# Altium PCB Prom21_Oculink_GPU_Ver0.1.PcbDoc (part 1 of 2)
Units mm, origin at the board's own origin, x right, y up, seen from the top; angles counter-clockwise.
Board outline 61.67 x 99.98 mm, 6 copper layers (Top Layer 1, Layer 1, Top Layer, Bottom Layer, Layer 2, Bottom Layer 1), stack 1.591 mm thick; 308 components, 320 nets, 1711 pads, 0 vias.
Unrouted connection lines stored in the file: 1033.
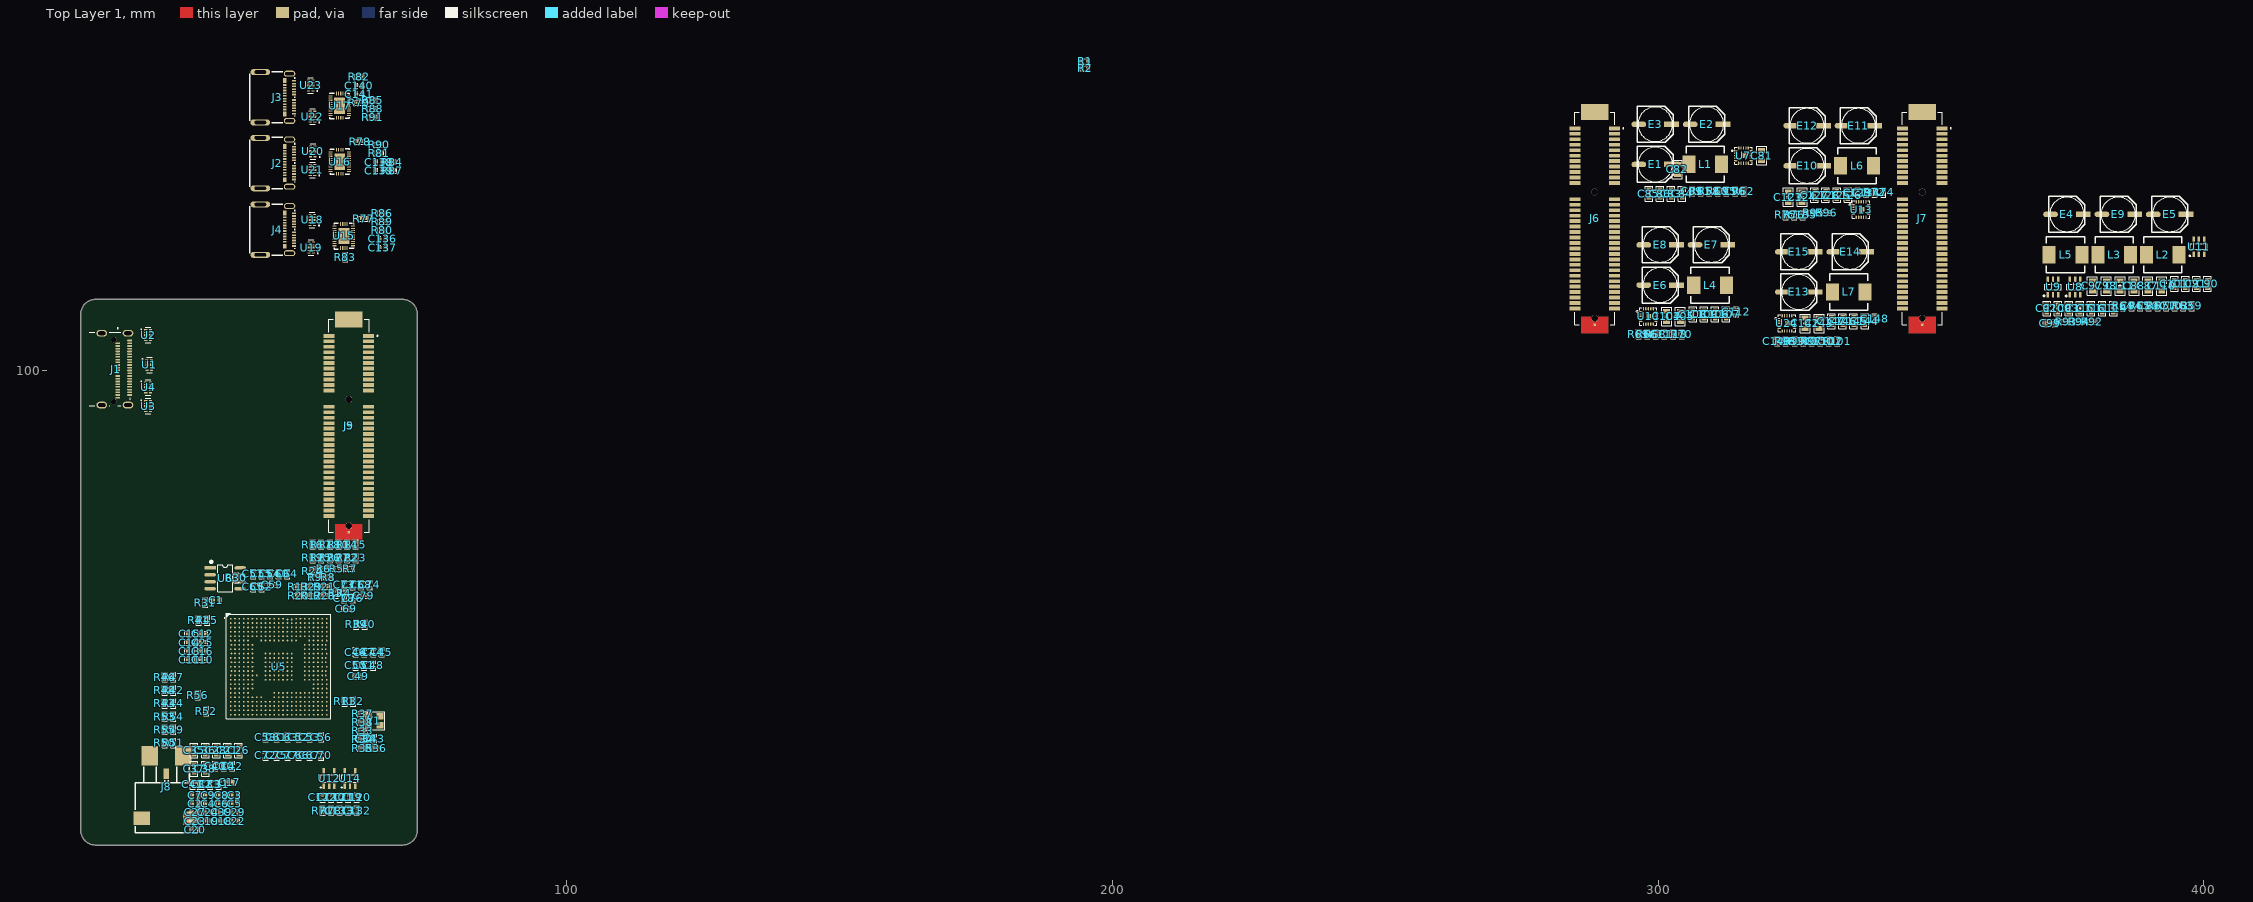
[diagram p0: Top Layer 1 view]
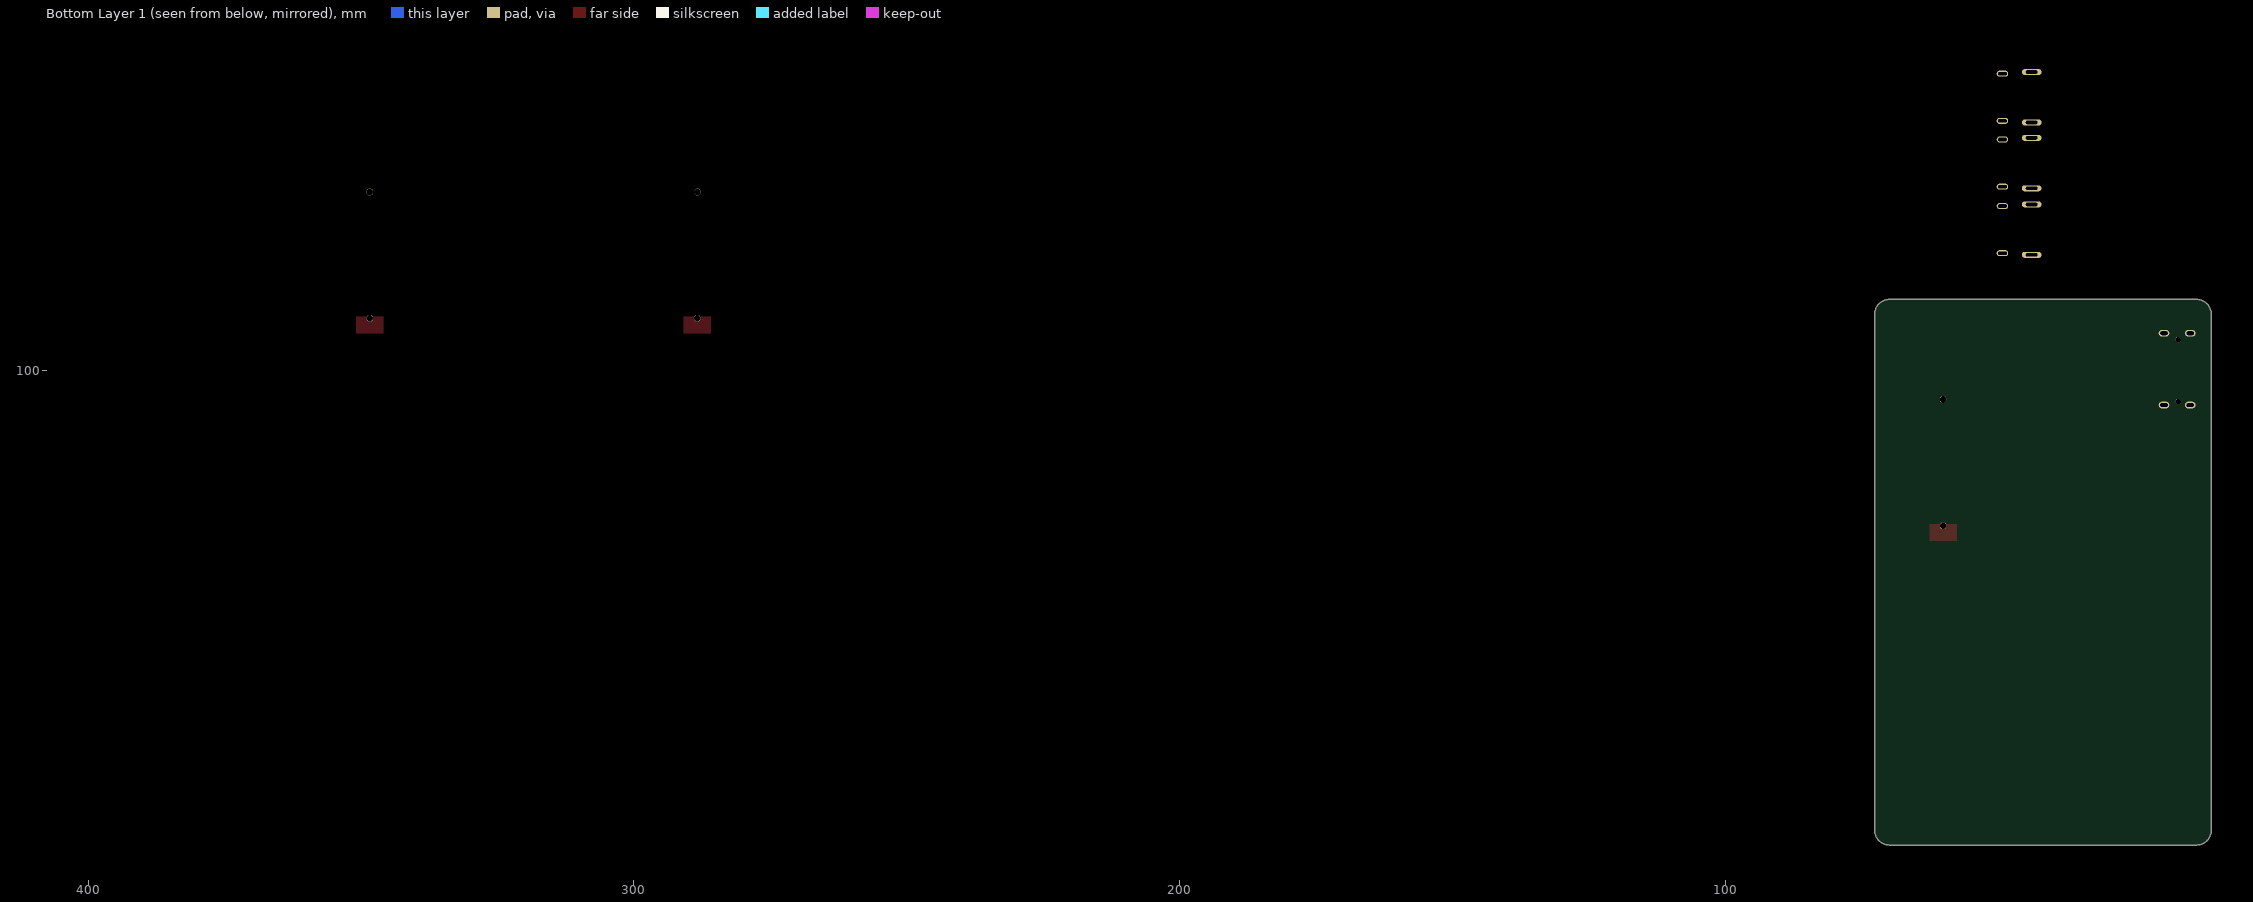
[diagram p1: Bottom Layer 1 view, seen from below]
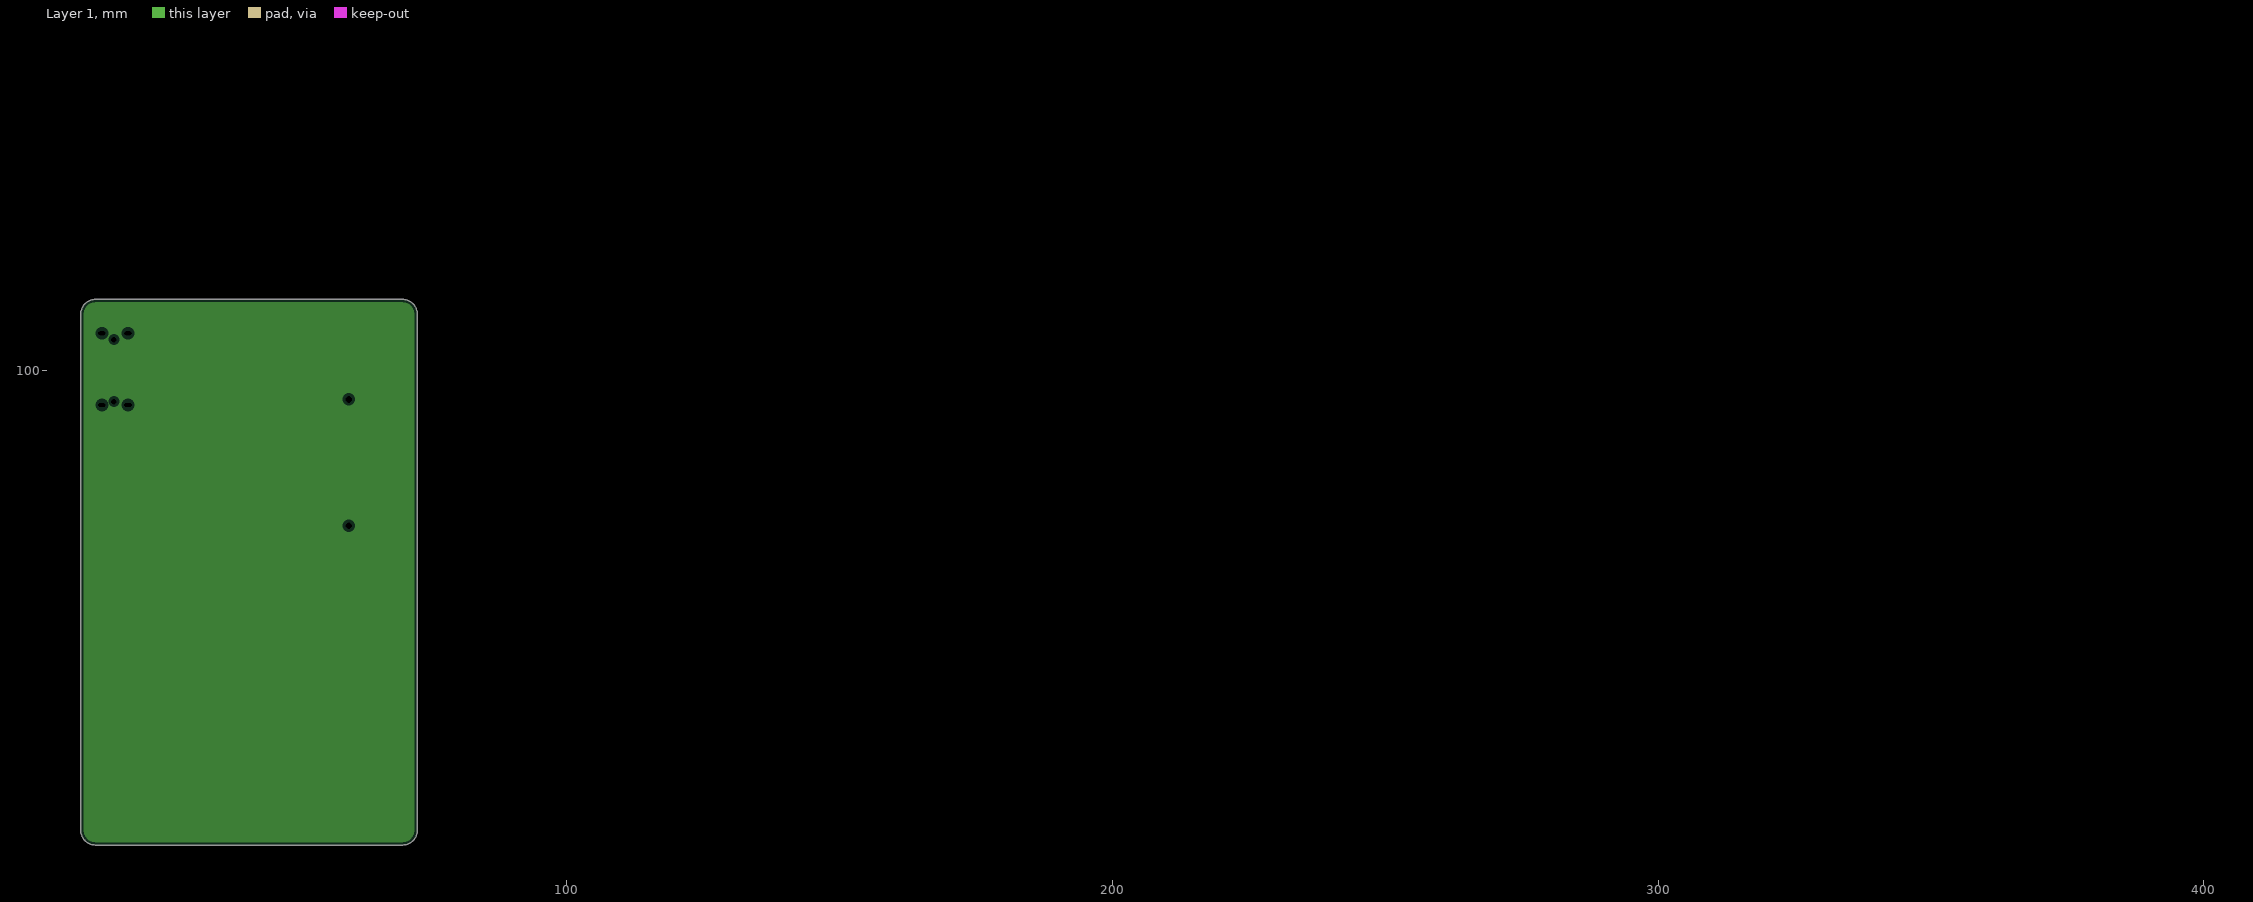
[diagram p2: Layer 1, clearances drawn from the general rule]
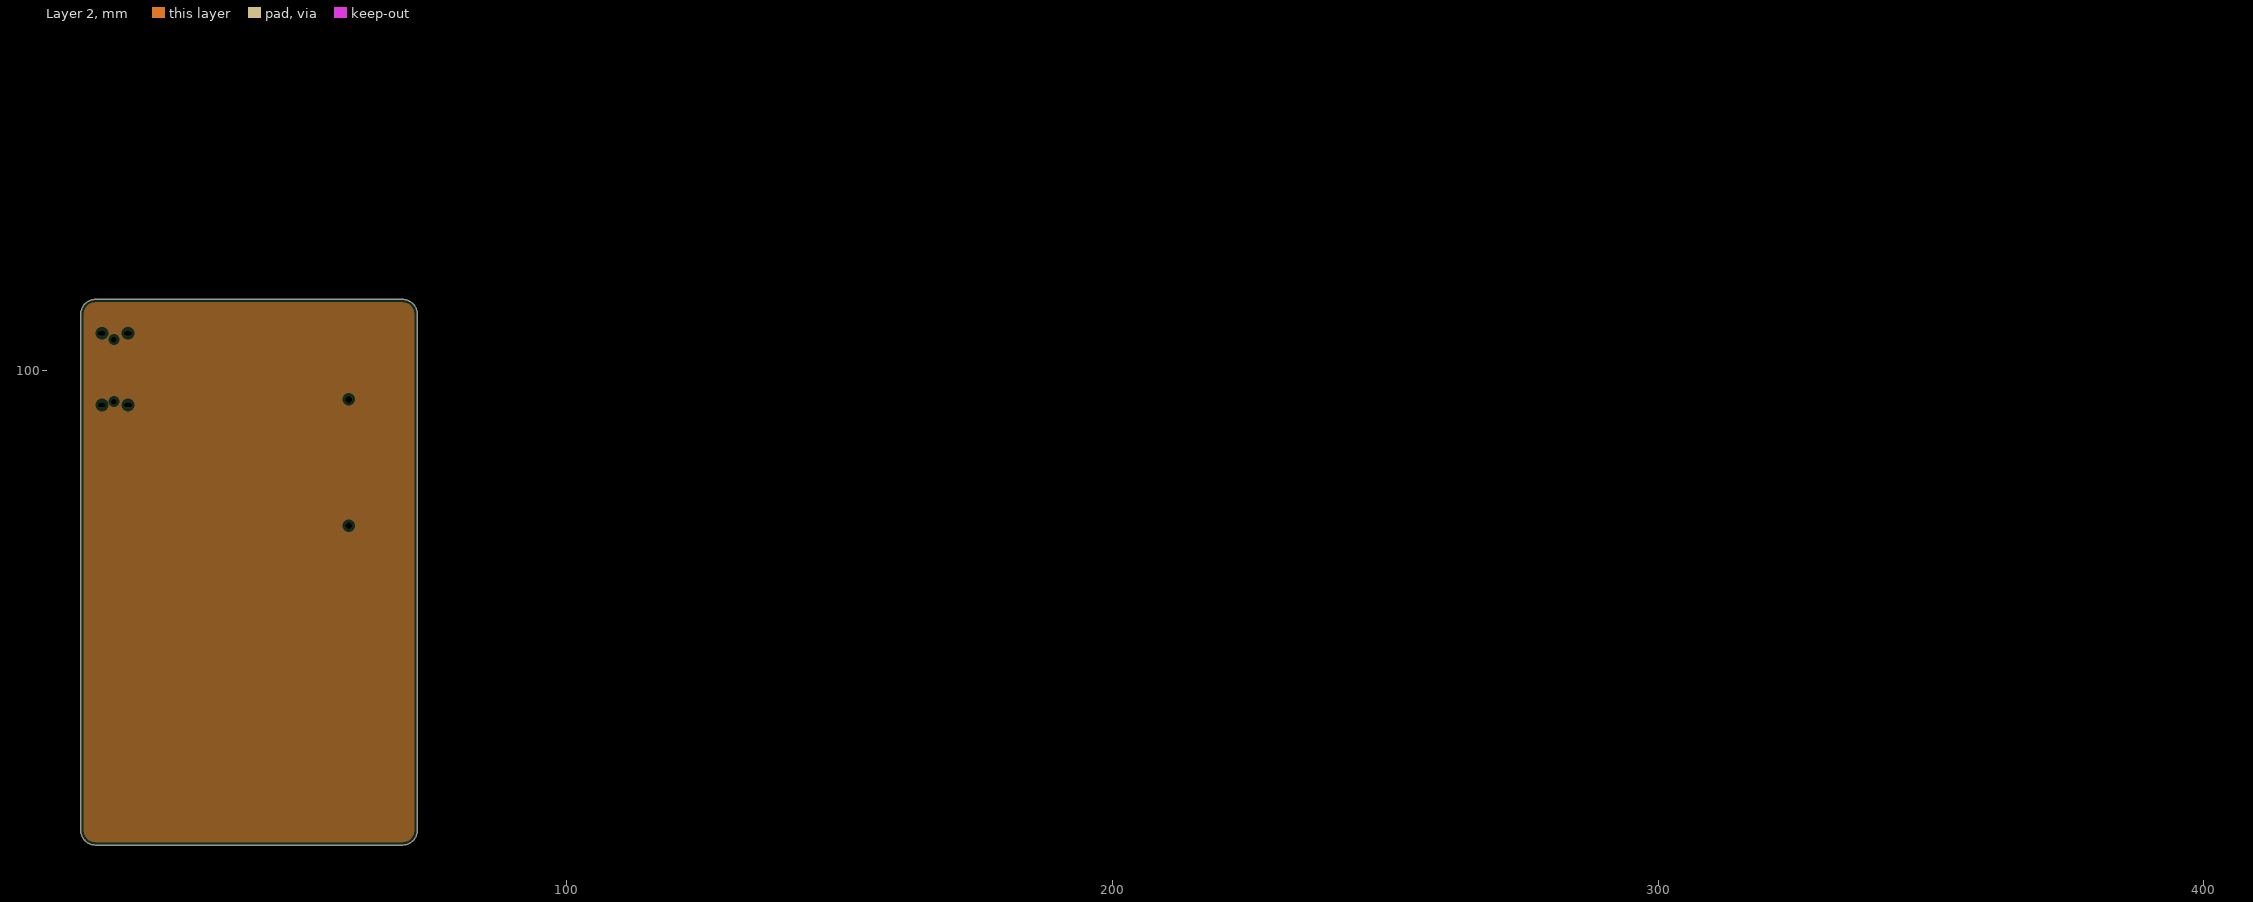
[diagram p3: Layer 2, clearances drawn from the general rule]

## Layer stack, top to bottom
Top Solder: solder mask 0.0102, Solder Resist, Dk 3.5
Top Layer 1: signal copper 0.035
Dielectric 2: prepreg 0.1118, PP-015, Dk 4.3
Layer 1: plane copper 0.0175
Dielectric 4: prepreg 0.55, PP-015, Dk 4.3
Top Layer: signal copper 0.0175
Dielectric 1: core 0.127, Core-015, Dk 4.4
Bottom Layer: signal copper 0.0175
Dielectric 5: prepreg 0.55, PP-015, Dk 4.3
Layer 2: plane copper 0.0175
Dielectric 3: prepreg 0.1118, PP-015, Dk 4.3
Bottom Layer 1: signal copper 0.035
Bottom Solder: solder mask 0.0102, Solder Resist, Dk 3.5

## Board outline
13.664,12.967 cw(c13.664,15.667) 10.964,15.667 10.964,110.247 cw(c13.664,110.247) 13.664,112.947 69.934,112.947 cw(c69.934,110.247) 72.634,110.247 72.634,18.298 72.634,15.667 cw(c69.934,15.667) 69.934,12.967

## Design rules (kind name [scope] priority, off if disabled: settings)
Clearance [All] p1: gap=0.102 ignorepadtopadclearanceinfootprint=FALSE
DiffPairsRouting "Schematic Differential Pairs Routing_5" [InNetClass('USB20')] p1: maxlimit=0.152 minlimit=0.102 mostfreqgap=0.152 toplayer_minwidth=0.102 toplayer_maxwidth=0.142 toplayer_prefwidth=0.142 midlayer2_minwidth=0.102 midlayer2_maxwidth=0.142 midlayer2_prefwidth=0.142 midlayer3_minwidth=0.102 midlayer3_maxwidth=0.142 midlayer3_prefwidth=0.142 bottomlayer_minwidth=0.102 bottomlayer_maxwidth=0.142 bottomlayer_prefwidth=0.142 maxuncoupledlength=12.7
DiffPairsRouting "Schematic Differential Pairs Routing_4" [InNetClass('USB30')] p2: maxlimit=0.152 minlimit=0.102 mostfreqgap=0.152 toplayer_minwidth=0.102 toplayer_maxwidth=0.142 toplayer_prefwidth=0.142 midlayer2_minwidth=0.102 midlayer2_maxwidth=0.142 midlayer2_prefwidth=0.142 midlayer3_minwidth=0.102 midlayer3_maxwidth=0.142 midlayer3_prefwidth=0.142 bottomlayer_minwidth=0.102 bottomlayer_maxwidth=0.142 bottomlayer_prefwidth=0.142 maxuncoupledlength=12.7
DiffPairsRouting "Schematic Differential Pairs Routing_3" [InNetClass('PCIE_DPE-B')] p3: maxlimit=0.152 minlimit=0.102 mostfreqgap=0.152 toplayer_minwidth=0.102 toplayer_maxwidth=0.162 toplayer_prefwidth=0.162 midlayer2_minwidth=0.102 midlayer2_maxwidth=0.162 midlayer2_prefwidth=0.162 midlayer3_minwidth=0.102 midlayer3_maxwidth=0.162 midlayer3_prefwidth=0.162 bottomlayer_minwidth=0.102 bottomlayer_maxwidth=0.162 bottomlayer_prefwidth=0.162 maxuncoupledlength=12.7
DiffPairsRouting "Schematic Differential Pairs Routing_2" [InNetClass('PCIE_DPE-A')] p4: maxlimit=0.152 minlimit=0.102 mostfreqgap=0.152 toplayer_minwidth=0.102 toplayer_maxwidth=0.162 toplayer_prefwidth=0.162 midlayer2_minwidth=0.102 midlayer2_maxwidth=0.162 midlayer2_prefwidth=0.162 midlayer3_minwidth=0.102 midlayer3_maxwidth=0.162 midlayer3_prefwidth=0.162 bottomlayer_minwidth=0.102 bottomlayer_maxwidth=0.162 bottomlayer_prefwidth=0.162 maxuncoupledlength=12.7
DiffPairsRouting "Schematic Differential Pairs Routing_1" [InNetClass('PCIE_DPE-C')] p5: maxlimit=0.152 minlimit=0.102 mostfreqgap=0.152 toplayer_minwidth=0.102 toplayer_maxwidth=0.162 toplayer_prefwidth=0.162 midlayer2_minwidth=0.102 midlayer2_maxwidth=0.162 midlayer2_prefwidth=0.162 midlayer3_minwidth=0.102 midlayer3_maxwidth=0.162 midlayer3_prefwidth=0.162 bottomlayer_minwidth=0.102 bottomlayer_maxwidth=0.162 bottomlayer_prefwidth=0.162 maxuncoupledlength=12.7
DiffPairsRouting "Schematic Differential Pairs Routing" [InNetClass('PCIE_UPE')] p6: maxlimit=0.152 minlimit=0.102 mostfreqgap=0.152 toplayer_minwidth=0.102 toplayer_maxwidth=0.162 toplayer_prefwidth=0.162 midlayer2_minwidth=0.102 midlayer2_maxwidth=0.162 midlayer2_prefwidth=0.162 midlayer3_minwidth=0.102 midlayer3_maxwidth=0.162 midlayer3_prefwidth=0.162 bottomlayer_minwidth=0.102 bottomlayer_maxwidth=0.162 bottomlayer_prefwidth=0.162 maxuncoupledlength=12.7
PlaneClearance [All] p1: clearance=0.508
PlaneConnect [All] p1: planeconnectstyle=Relief reliefexpansion=0.508 reliefentries=4 reliefconductorwidth=0.254 reliefairgap=0.254
PolygonConnect [All] p1: connectstyle=Relief reliefconductorwidth=0.254 reliefentries=4 polygonreliefangle="90 Angle" airgapwidth=0.254
RoutingVias [All] p1: holewidth=0.711 width=1.27 viastyle="Through Hole" minholewidth=0.711 minwidth=1.27 maxholewidth=0.711 maxwidth=1.27
SolderMaskExpansion [All] p1: expansion=0.102 istentingtop=FALSE
Width [All] p1: maxlimit=2.54 minlimit=0.102 preferedwidth=0.254
27 further rules are at their usual default settings.

## Classes and differential pairs
net class USB30: Cap_SS0_TX_N Cap_SS0_TX_P Cap_SS1_TX_N Cap_SS1_TX_P Cap_SS2_TX_N Cap_SS2_TX_P Cap_SS3_TX_N Cap_SS3_TX_P Cap_SS4_TX_N Cap_SS4_TX_P Cap_SS5_TX_N Cap_SS5_TX_P SS0_RX_N SS0_RX_P SS0_TX_N SS0_TX_P SS1_RX_N SS1_RX_P SS1_TX_N SS1_TX_P SS2_RX_N SS2_RX_P SS2_TX_N SS2_TX_P SS3_RX_N SS3_RX_P SS3_TX_N SS3_TX_P SS4_RX_N SS4_RX_P SS4_TX_N SS4_TX_P SS5_RX_N SS5_RX_P SS5_TX_N SS5_TX_P
net class USB20: USB0_D_N USB0_D_P USB1_D_N USB1_D_P USB2_D_N USB2_D_P USB3_D_N USB3_D_P USB4_D_N USB4_D_P USB5_D_N USB5_D_P USB6_D_N USB6_D_P USB7_D_N USB7_D_P USB8_D_N USB8_D_P USB9_D_N USB9_D_P USB10_D_N USB10_D_P USB11_D_N USB11_D_P
net class PWR: GND VCC1.05V VCC1.8V VCC3.3V-GPU1 VCC3.3V-GPU2 VCC3.3V-GPU3 VCC5.0V VCC12V VSUS1.05V VSUS3.3V
net class PCIE_UPE: CAP_UPE_TX0_N CAP_UPE_TX0_P CAP_UPE_TX1_N CAP_UPE_TX1_P CAP_UPE_TX2_N CAP_UPE_TX2_P CAP_UPE_TX3_N CAP_UPE_TX3_P UPE_REFCLK_P UPE_RX0_N UPE_RX0_P UPE_RX1_N UPE_RX1_P UPE_RX2_N UPE_RX2_P UPE_RX3_N UPE_RX3_P UPE_TX0_N UPE_TX0_P UPE_TX1_N UPE_TX1_P UPE_TX2_N UPE_TX2_P UPE_TX3_N UPE_TX3_P
net class PCIE_DPE-C: CAP_DPE_TX8_N CAP_DPE_TX8_P CAP_DPE_TX9_N CAP_DPE_TX9_P CAP_DPE_TX10_N CAP_DPE_TX10_P CAP_DPE_TX11_N CAP_DPE_TX11_P DPE_RX0_N DPE_RX8_N DPE_RX8_P DPE_RX9_P DPE_RX10_N DPE_RX10_P DPE_RX11_N DPE_RX11_P DPE_TX8_N DPE_TX8_P DPE_TX9_N DPE_TX9_P DPE_TX10_N DPE_TX10_P DPE_TX11_N DPE_TX11_P REFCLK4_N REFCLK4_P REFCLK5_N REFCLK5_P
net class PCIE_DPE-B: CAP_DPE_TX0_N CAP_DPE_TX4_N CAP_DPE_TX4_P CAP_DPE_TX5_N CAP_DPE_TX5_P CAP_DPE_TX6_N CAP_DPE_TX6_P CAP_DPE_TX7_N CAP_DPE_TX7_P DPE_RX0_N DPE_RX4_N DPE_RX4_P DPE_RX5_N DPE_RX5_P DPE_RX6_P DPE_RX7_N DPE_RX7_P DPE_TX4_N DPE_TX4_P DPE_TX5_N DPE_TX5_P DPE_TX6_N DPE_TX6_P DPE_TX7_N DPE_TX7_P REFCLK2_N REFCLK2_P REFCLK3_N REFCLK3_P
net class PCIE_DPE-A: CAP_DPE_TX0_N CAP_DPE_TX0_P CAP_DPE_TX1_N CAP_DPE_TX1_P CAP_DPE_TX2_N CAP_DPE_TX2_P CAP_DPE_TX3_N CAP_DPE_TX3_P DPE_RX0_N DPE_RX0_P DPE_RX1_N DPE_RX1_P DPE_RX2_N DPE_RX2_P DPE_RX3_N DPE_RX3_P DPE_TX0_N DPE_TX0_P DPE_TX1_N DPE_TX1_P DPE_TX2_N DPE_TX2_P DPE_TX3_N DPE_TX3_P REFCLK0_N REFCLK0_P REFCLK1_N REFCLK1_P
component class USB: C136 C137 C138 C139 C140 C141 R77 R78 R79 R80 R81 R82 R83 R84 R85 R86 R87 R88 R89 R90 R91 U15 U16 U17 U18 U19 U20 U21 U22 U23
component class pwr: C80 C81 C82 C83 C84 C85 C86 C87 C88 C89 C90 C91 C92 C93 C94 C95 C96 C97 C98 C99 C100 C101 C102 C103 C104 C105 C106 C107 C108 C109 C110 C111 C112 C113 C114 C115 C116 C117 C118 C119 C120 C121 C122 C123 C124 C125 C126 C127 C128 C129 C130 C131 C132 C133 C134 C135 C142 C143 C144 C145 C146 C147 C148 C149 C150 E1 E2 E3 E4 E5 E6 E7 E8 E9 E10 E11 E12 E13 E14 E15 L1 L2 L3 L4 L5 L6 L7 R57 R58 R59 R60 R61 R62 R63 R64 R65 R66 R67 R68 R69 R70 R71 R72 R73 R74 R75 R76 R92 R93 R94 R95 R96 R97 R98 R99 R100 R101 R102 U7 U8 U9 U10 U11 U12 U13 U14 U24
component class Prom21Core: C1 C2 C3 C4 C5 C6 C7 C8 C9 C10 C11 C12 C13 C14 C15 C16 C17 C18 C19 C20 C21 C22 C23 C24 C25 C26 C27 C28 C29 C30 C31 C32 C33 C34 C35 C36 C37 C38 C39 C40 C41 C42 C43 C44 C45 C46 C47 C48 C49 C50 C51 C52 C53 C54 C55 C56 C57 C58 C59 C60 C61 C62 C63 C64 C65 C66 C67 C68 C69 C70 C71 C72 C73 C74 C75 C76 C77 C78 C79 R3 R4 R5 R6 R7 R8 R9 R10 R11 R12 R13 R14 R15 R16 R17 R18 R19 R20 R21 R22 R23 R24 R25 R26 R27 R28 R29 R30 R31 R32 R33 R34 R35 R36 R37 R38 R39 R40 R41 R42 R43 R44 R45 R46 R47 R48 R49 R50 R51 R52 R53 R54 R55 R56 U5 U6 Y1
component class Connector: J1 J2 J3 J4 J5 J6 J7 J8 R1 R2 U1 U2 U3 U4
differential pair CAP_UPE_TX3: +CAP_UPE_TX3_P -CAP_UPE_TX3_N
differential pair CAP_UPE_TX2: +CAP_UPE_TX2_P -CAP_UPE_TX2_N
differential pair CAP_UPE_TX1: +CAP_UPE_TX1_P -CAP_UPE_TX1_N
differential pair CAP_UPE_TX0: +CAP_UPE_TX0_P -CAP_UPE_TX0_N
differential pair DPE_RX9: +DPE_RX9_P -DPE_RX9_N
differential pair DPE_RX6: +DPE_RX6_P -DPE_RX6_N
differential pair CAP_DPE_TX7: +CAP_DPE_TX7_P -CAP_DPE_TX7_N
differential pair USB11_D: +USB11_D_P -USB11_D_N
differential pair USB10_D: +USB10_D_P -USB10_D_N
differential pair USB9_D: +USB9_D_P -USB9_D_N
differential pair USB8_D: +USB8_D_P -USB8_D_N
differential pair USB7_D: +USB7_D_P -USB7_D_N
differential pair USB6_D: +USB6_D_P -USB6_D_N
differential pair USB5_D: +USB5_D_P -USB5_D_N
differential pair USB4_D: +USB4_D_P -USB4_D_N
differential pair USB3_D: +USB3_D_P -USB3_D_N
differential pair USB2_TX2: +USB2_TX2_P -USB2_TX2_N
differential pair USB2_TX1: +USB2_TX1_P -USB2_TX1_N
differential pair USB2_RX2: +USB2_RX2_P -USB2_RX2_N
differential pair USB2_RX1: +USB2_RX1_P -USB2_RX1_N
differential pair USB2_D: +USB2_D_P -USB2_D_N
differential pair USB1_TX2: +USB1_TX2_P -USB1_TX2_N
differential pair USB1_TX1: +USB1_TX1_P -USB1_TX1_N
differential pair USB1_RX2: +USB1_RX2_P -USB1_RX2_N
differential pair USB1_RX1: +USB1_RX1_P -USB1_RX1_N
differential pair USB1_D: +USB1_D_P -USB1_D_N
differential pair USB0_TX2: +USB0_TX2_P -USB0_TX2_N
differential pair USB0_TX1: +USB0_TX1_P -USB0_TX1_N
differential pair USB0_RX2: +USB0_RX2_P -USB0_RX2_N
differential pair USB0_RX1: +USB0_RX1_P -USB0_RX1_N
differential pair USB0_D: +USB0_D_P -USB0_D_N
differential pair UPE_TX3: +UPE_TX3_P -UPE_TX3_N
differential pair UPE_TX2: +UPE_TX2_P -UPE_TX2_N
differential pair UPE_TX1: +UPE_TX1_P -UPE_TX1_N
differential pair UPE_TX0: +UPE_TX0_P -UPE_TX0_N
differential pair UPE_RX3: +UPE_RX3_P -UPE_RX3_N
differential pair UPE_RX2: +UPE_RX2_P -UPE_RX2_N
differential pair UPE_RX1: +UPE_RX1_P -UPE_RX1_N
differential pair UPE_RX0: +UPE_RX0_P -UPE_RX0_N
differential pair UPE_REFCLK: +UPE_REFCLK_P -UPE_REFCLK_N
differential pair SS5_TX: +SS5_TX_P -SS5_TX_N
differential pair SS5_RX: +SS5_RX_P -SS5_RX_N
differential pair SS4_TX: +SS4_TX_P -SS4_TX_N
differential pair SS4_RX: +SS4_RX_P -SS4_RX_N
differential pair SS3_TX: +SS3_TX_P -SS3_TX_N
differential pair SS3_RX: +SS3_RX_P -SS3_RX_N
differential pair SS2_TX: +SS2_TX_P -SS2_TX_N
differential pair SS2_RX: +SS2_RX_P -SS2_RX_N
differential pair SS1_TX: +SS1_TX_P -SS1_TX_N
differential pair SS1_RX: +SS1_RX_P -SS1_RX_N
differential pair REFCLK5: +REFCLK5_P -REFCLK5_N
differential pair REFCLK4: +REFCLK4_P -REFCLK4_N
differential pair REFCLK3: +REFCLK3_P -REFCLK3_N
differential pair REFCLK2: +REFCLK2_P -REFCLK2_N
differential pair REFCLK1: +REFCLK1_P -REFCLK1_N
differential pair REFCLK0: +REFCLK0_P -REFCLK0_N
differential pair DPE_TX11: +DPE_TX11_P -DPE_TX11_N
differential pair DPE_TX10: +DPE_TX10_P -DPE_TX10_N
differential pair DPE_TX9: +DPE_TX9_P -DPE_TX9_N
differential pair DPE_TX8: +DPE_TX8_P -DPE_TX8_N
differential pair DPE_TX7: +DPE_TX7_P -DPE_TX7_N
differential pair DPE_TX6: +DPE_TX6_P -DPE_TX6_N
differential pair DPE_TX5: +DPE_TX5_P -DPE_TX5_N
differential pair DPE_TX4: +DPE_TX4_P -DPE_TX4_N
differential pair DPE_TX3: +DPE_TX3_P -DPE_TX3_N
differential pair DPE_TX2: +DPE_TX2_P -DPE_TX2_N
differential pair DPE_TX1: +DPE_TX1_P -DPE_TX1_N
differential pair DPE_TX0: +DPE_TX0_P -DPE_TX0_N
differential pair DPE_RX11: +DPE_RX11_P -DPE_RX11_N
differential pair DPE_RX10: +DPE_RX10_P -DPE_RX10_N
differential pair DPE_RX8: +DPE_RX8_P -DPE_RX8_N
differential pair DPE_RX7: +DPE_RX7_P -DPE_RX7_N
differential pair DPE_RX5: +DPE_RX5_P -DPE_RX5_N
differential pair DPE_RX4: +DPE_RX4_P -DPE_RX4_N
differential pair DPE_RX3: +DPE_RX3_P -DPE_RX3_N
differential pair DPE_RX2: +DPE_RX2_P -DPE_RX2_N
differential pair DPE_RX1: +DPE_RX1_P -DPE_RX1_N
differential pair DPE_RX0: +DPE_RX0_P -DPE_RX0_N
differential pair Cap_SS5_TX: +Cap_SS5_TX_P -Cap_SS5_TX_N
differential pair Cap_SS4_TX: +Cap_SS4_TX_P -Cap_SS4_TX_N
differential pair Cap_SS3_TX: +Cap_SS3_TX_P -Cap_SS3_TX_N
differential pair Cap_SS2_TX: +Cap_SS2_TX_P -Cap_SS2_TX_N
differential pair Cap_SS1_TX: +Cap_SS1_TX_P -Cap_SS1_TX_N
differential pair Cap_SS0_TX: +Cap_SS0_TX_P -Cap_SS0_TX_N
differential pair CAP_DPE_TX11: +CAP_DPE_TX11_P -CAP_DPE_TX11_N
differential pair CAP_DPE_TX10: +CAP_DPE_TX10_P -CAP_DPE_TX10_N
differential pair CAP_DPE_TX9: +CAP_DPE_TX9_P -CAP_DPE_TX9_N
differential pair CAP_DPE_TX8: +CAP_DPE_TX8_P -CAP_DPE_TX8_N
differential pair CAP_DPE_TX6: +CAP_DPE_TX6_P -CAP_DPE_TX6_N
differential pair CAP_DPE_TX5: +CAP_DPE_TX5_P -CAP_DPE_TX5_N
differential pair CAP_DPE_TX4: +CAP_DPE_TX4_P -CAP_DPE_TX4_N
differential pair CAP_DPE_TX3: +CAP_DPE_TX3_P -CAP_DPE_TX3_N
differential pair CAP_DPE_TX2: +CAP_DPE_TX2_P -CAP_DPE_TX2_N
differential pair CAP_DPE_TX1: +CAP_DPE_TX1_P -CAP_DPE_TX1_N